# Altium PCB main - Copy.PcbDoc (part 5 of 14)
Units mil, origin at the board's own origin, x right, y up, seen from the top; angles counter-clockwise.
Board outline 8394.55 x 5164.44 mil, 7 copper layers (Top Layer 1, Layer 2, Layer 3, Unused, Layer 4_pow, Layer 5_gnd, Bottom 6+gnd), stack 46.112 mil thick; 406 components, 463 nets, 1919 pads, 903 vias.
Unrouted connection lines stored in the file: 147.
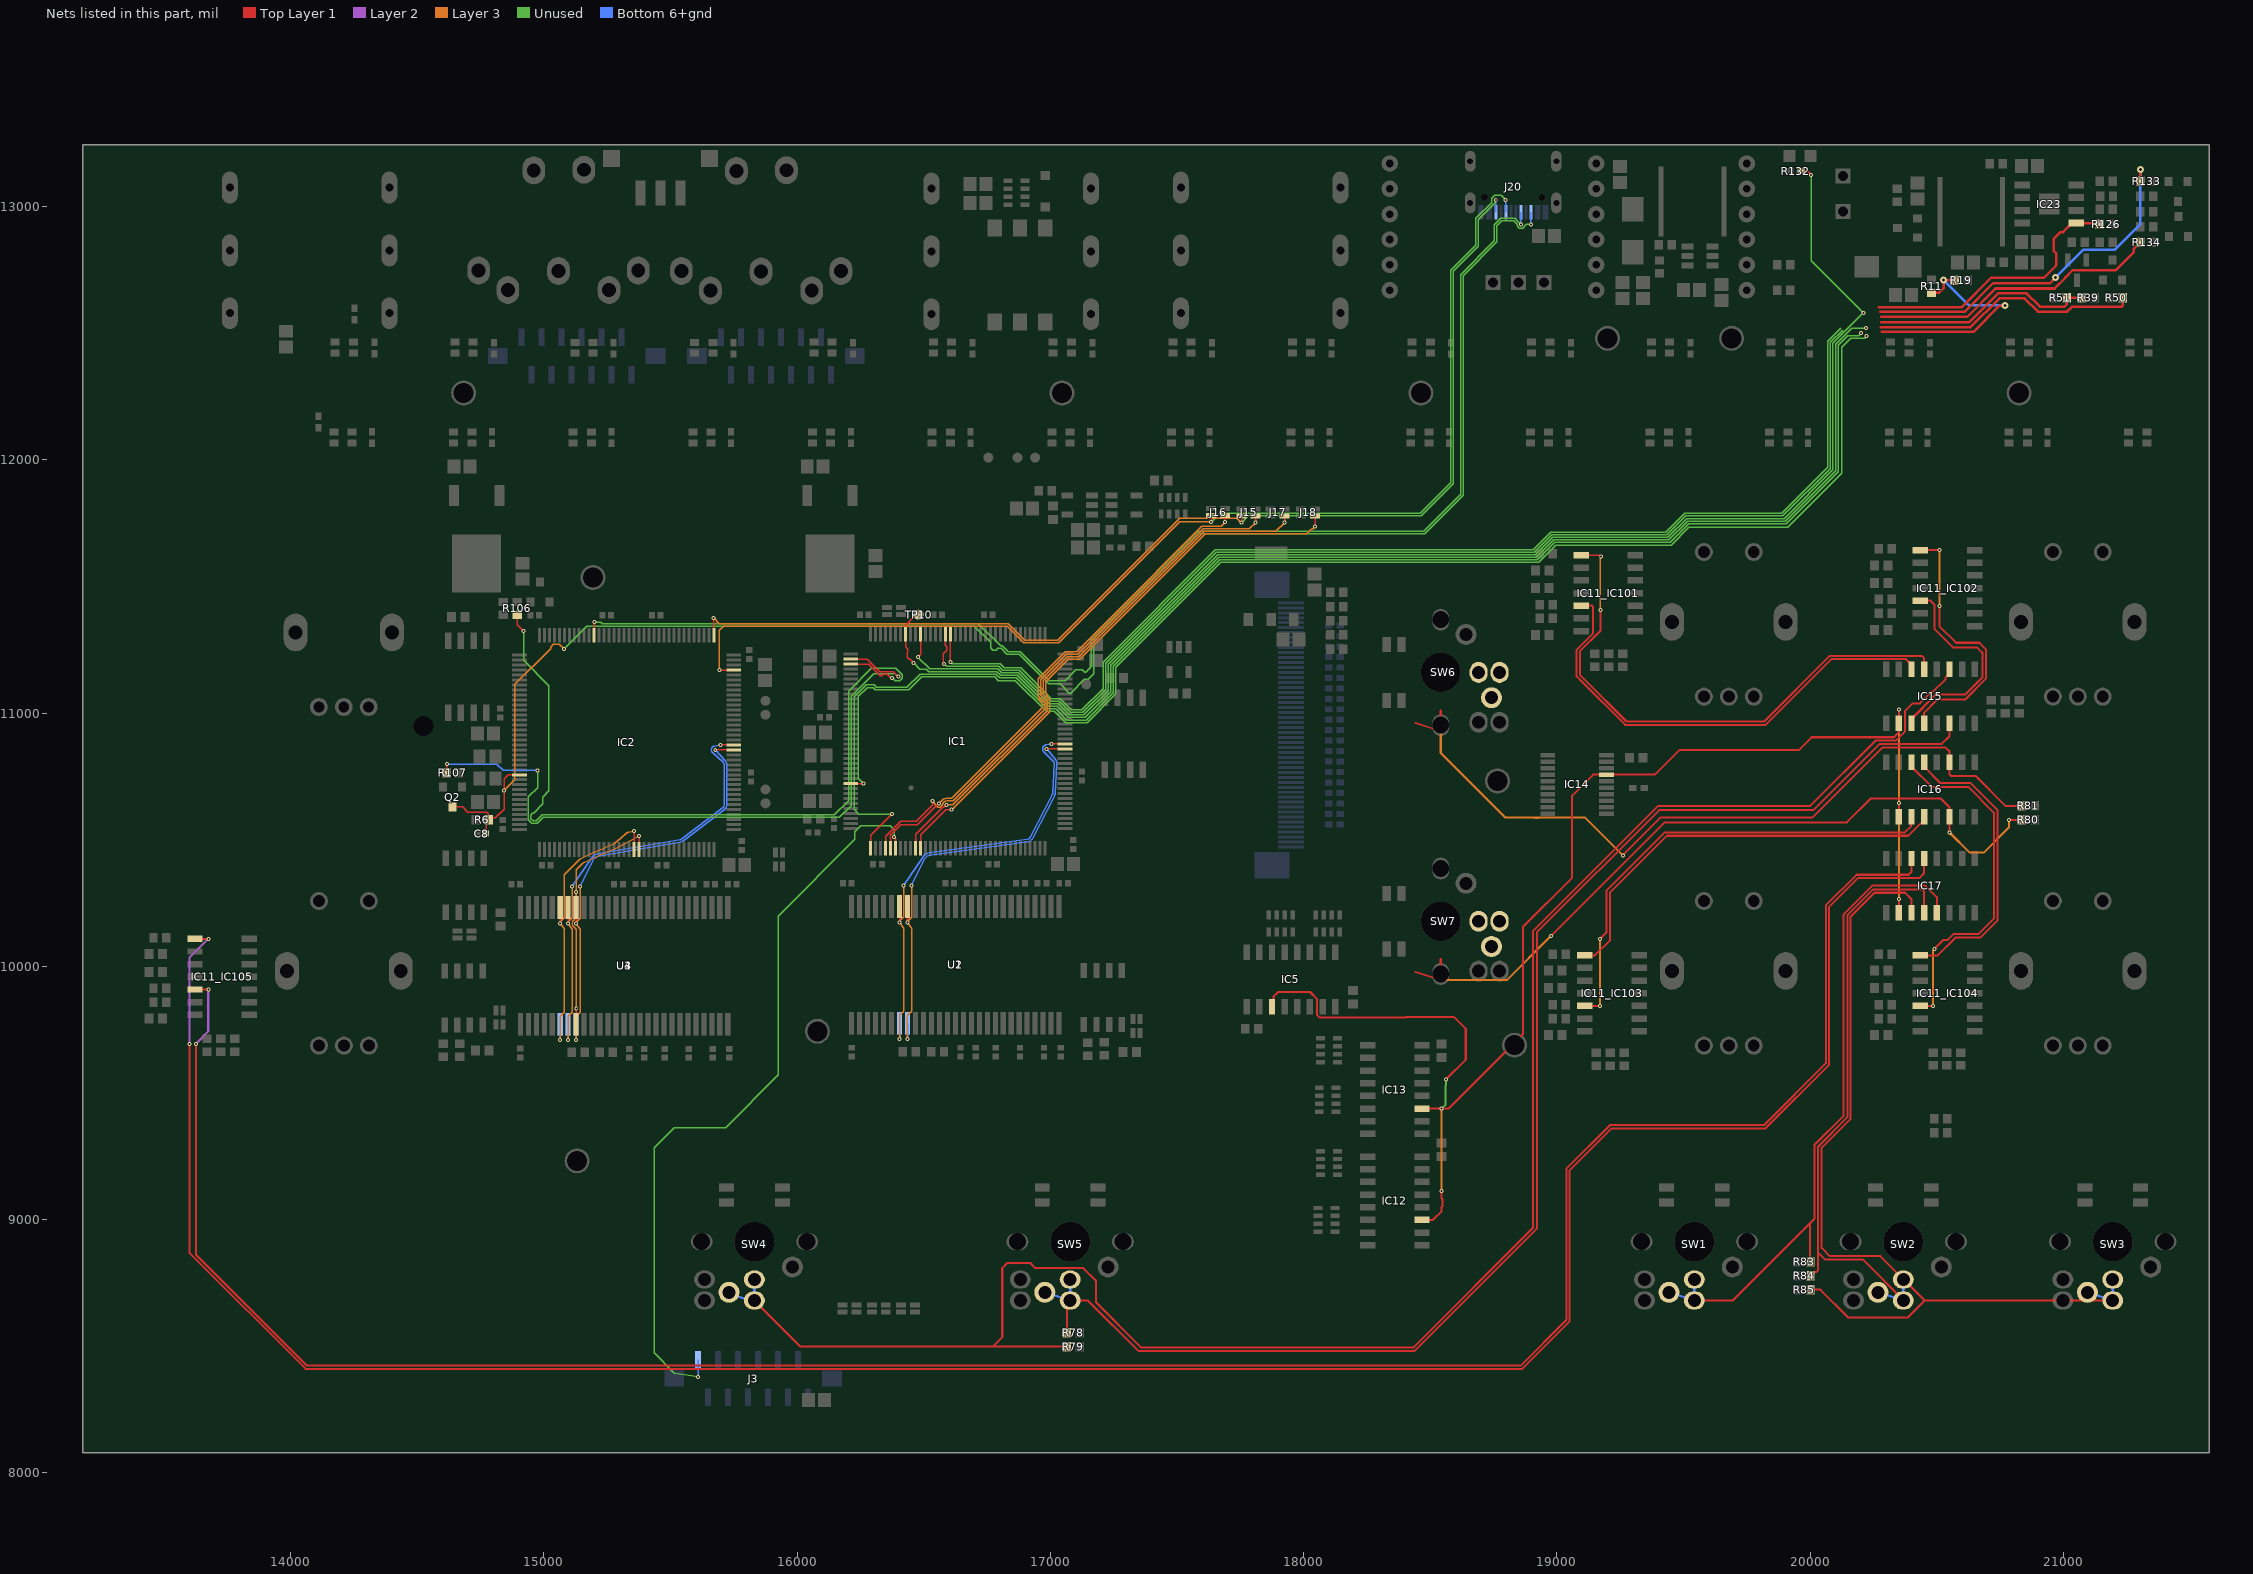
[diagram p9: the nets of this part, all layers, seen from the top]

## Via types
v1: diameter 15.75, hole 7.87, Top Layer 1 to Bottom 6+gnd, tented both sides, 830 vias
v2: diameter 27.56, hole 11.81, Top Layer 1 to Bottom 6+gnd, 45 vias
v3: diameter 23.62/23.62/23.62/23.62/23.62/23.62/23.62 (per signal layer), hole 12, Top Layer 1 to Bottom 6+gnd, tented top, 12 vias
v4: diameter 15.75, hole 7.87, Top Layer 1 to Bottom 6+gnd, 10 vias
v5: diameter 23.62/23.62/23.62/23.62/23.62/23.62/23.62 (per signal layer), hole 12, Top Layer 1 to Bottom 6+gnd, tented bottom, 6 vias

## Nets (pads, with @x,y where several pads share a name; then routed paths per layer and width w, separated by ;. In a path a pad name is that pad's centre, name@x,y a point inside that pad or via, vN(x,y) a via of type N, cw(c..) or ccw(c..) an arc to the next point about the centre after c; other vN are vias at no path point) (continued)
AA10: IC2.56 U3.22 U4.22 | length 1723.1
  Top Layer 1 w5: v1@15064.73,10170.19 U3.22@15064.73,10232.03 ; IC2.56@15356.39,10461.71 v1@15356.39,10534.31
  Layer 3 w5: v1(15064.49,9709.31) 15064.49,9803 15080.61,9819.12 15080.61,10145.78 ; v1(15064.49,10169.94) ccw(c15068.64,10172.73) 15064.57,10169.82 15079.68,10148.64 ; v1@15064.49,10175.64 15064.49,10175.51 cw(c15068.64,10172.73) 15065.07,10176.22 15079.15,10190.35 ; 15080.61,10193.83 15080.61,10360.07 ; v1(15356.31,10534.39) 15333.09,10529.43 ccw(c15336.31,10514.39) 15326.04,10525.84 15303.65,10505.74 ; 15079.15,10190.35 ccw(c15075.61,10193.88) 15080.61,10193.79 ; 15079.15,10190.35 ccw(c15075.61,10193.88) 15080.61,10193.79 ; 15079.15,10190.35 ccw(c15075.61,10193.88) 15080.61,10193.79 ; 15079.15,10190.35 ccw(c15075.61,10193.88) 15080.61,10193.79 ; 15079.15,10190.35 ccw(c15075.61,10193.88) 15080.61,10193.79 ; 15079.15,10190.35 ccw(c15075.61,10193.88) 15080.61,10193.79 ; 15079.15,10190.35 ccw(c15075.61,10193.88) 15080.61,10193.79 ; 15079.15,10190.35 ccw(c15075.61,10193.88) 15080.61,10193.79 ; 15079.15,10190.35 ccw(c15075.61,10193.88) 15080.61,10193.79 ; 15079.15,10190.35 ccw(c15075.61,10193.88) 15080.61,10193.79 ; 15079.15,10190.35 ccw(c15075.61,10193.88) 15080.61,10193.79 ; 15079.15,10190.35 ccw(c15075.61,10193.88) 15080.61,10193.79 ; 15079.15,10190.35 ccw(c15075.61,10193.88) 15080.61,10193.79 ; 15079.15,10190.35 ccw(c15075.61,10193.88) 15080.61,10193.79 ; 15079.15,10190.35 ccw(c15075.61,10193.88) 15080.61,10193.79 ; 15079.15,10190.35 ccw(c15075.61,10193.88) 15080.61,10193.79 ; 15079.68,10148.64 cw(c15075.61,10145.74) 15080.61,10145.83 ; 15079.68,10148.64 cw(c15075.61,10145.74) 15080.61,10145.83 ; 15079.68,10148.64 cw(c15075.61,10145.74) 15080.61,10145.83 ; 15079.68,10148.64 cw(c15075.61,10145.74) 15080.61,10145.83 ; 15079.68,10148.64 cw(c15075.61,10145.74) 15080.61,10145.83 ; 15079.68,10148.64 cw(c15075.61,10145.74) 15080.61,10145.83 ; 15079.68,10148.64 cw(c15075.61,10145.74) 15080.61,10145.83 ; 15079.68,10148.64 cw(c15075.61,10145.74) 15080.61,10145.83 ; 15079.68,10148.64 cw(c15075.61,10145.74) 15080.61,10145.83 ; 15079.68,10148.64 cw(c15075.61,10145.74) 15080.61,10145.83 ; 15079.68,10148.64 cw(c15075.61,10145.74) 15080.61,10145.83 ; 15079.68,10148.64 cw(c15075.61,10145.74) 15080.61,10145.83 ; 15079.68,10148.64 cw(c15075.61,10145.74) 15080.61,10145.83 ; 15079.68,10148.64 cw(c15075.61,10145.74) 15080.61,10145.83 ; 15079.68,10148.64 cw(c15075.61,10145.74) 15080.61,10145.83 ; 15079.68,10148.64 cw(c15075.61,10145.74) 15080.61,10145.83 ; 15080.61,10360.07 cw(c15085.61,10360.07) 15082.05,10363.58 ; 15080.61,10360.07 cw(c15085.61,10360.07) 15082.05,10363.58 ; 15080.61,10360.07 cw(c15085.61,10360.07) 15082.05,10363.58 ; 15080.61,10360.07 cw(c15085.61,10360.07) 15082.05,10363.58 ; 15080.61,10360.07 cw(c15085.61,10360.07) 15082.05,10363.58 ; 15080.61,10360.07 cw(c15085.61,10360.07) 15082.05,10363.58 ; 15080.61,10360.07 cw(c15085.61,10360.07) 15082.05,10363.58 ; 15080.61,10360.07 cw(c15085.61,10360.07) 15082.05,10363.58 ; 15080.61,10360.07 cw(c15085.61,10360.07) 15082.05,10363.58 ; 15080.61,10360.07 cw(c15085.61,10360.07) 15082.05,10363.58 ; 15080.61,10360.07 cw(c15085.61,10360.07) 15082.05,10363.58 ; 15080.61,10360.07 cw(c15085.61,10360.07) 15082.05,10363.58 ; 15080.61,10360.07 cw(c15085.61,10360.07) 15082.05,10363.58 ; 15080.61,10360.07 cw(c15085.61,10360.07) 15082.05,10363.58 ; 15080.61,10360.07 cw(c15085.61,10360.07) 15082.05,10363.58 ; 15080.61,10360.07 cw(c15085.61,10360.07) 15082.05,10363.58 ; 15082.05,10363.58 15139.3,10420.83 ; 15139.3,10420.83 cw(c15163.98,10396.01) 15149.53,10427.89 ; 15139.3,10420.83 cw(c15163.98,10396.01) 15149.53,10427.89 ; 15139.3,10420.83 cw(c15163.98,10396.01) 15149.53,10427.89 ; 15139.3,10420.83 cw(c15163.98,10396.01) 15149.53,10427.89 ; 15139.3,10420.83 cw(c15163.98,10396.01) 15149.53,10427.89 ; 15139.3,10420.83 cw(c15163.98,10396.01) 15149.53,10427.89 ; 15139.3,10420.83 cw(c15163.98,10396.01) 15149.53,10427.89 ; 15139.3,10420.83 cw(c15163.98,10396.01) 15149.53,10427.89 ; 15139.3,10420.83 cw(c15163.98,10396.01) 15149.53,10427.89 ; 15139.3,10420.83 cw(c15163.98,10396.01) 15149.53,10427.89 ; 15139.3,10420.83 cw(c15163.98,10396.01) 15149.53,10427.89 ; 15139.3,10420.83 cw(c15163.98,10396.01) 15149.53,10427.89 ; 15139.3,10420.83 cw(c15163.98,10396.01) 15149.53,10427.89 ; 15139.3,10420.83 cw(c15163.98,10396.01) 15149.53,10427.89 ; 15139.3,10420.83 cw(c15163.98,10396.01) 15149.53,10427.89 ; 15139.3,10420.83 cw(c15163.98,10396.01) 15149.53,10427.89 ; 15149.53,10427.89 15199.7,10450.71 ; 15199.7,10450.71 cw(c15218.49,10409.41) 15200.64,10451.13 ; 15199.7,10450.71 cw(c15218.49,10409.41) 15200.64,10451.13 ; 15199.7,10450.71 cw(c15218.49,10409.41) 15200.64,10451.13 ; 15199.7,10450.71 cw(c15218.49,10409.41) 15200.64,10451.13 ; 15199.7,10450.71 cw(c15218.49,10409.41) 15200.64,10451.13 ; 15199.7,10450.71 cw(c15218.49,10409.41) 15200.65,10451.13 ; 15199.7,10450.71 cw(c15218.49,10409.41) 15200.64,10451.13 ; 15199.7,10450.71 cw(c15218.49,10409.41) 15200.65,10451.13 ; 15199.7,10450.71 cw(c15218.49,10409.41) 15200.64,10451.13 ; 15199.7,10450.71 cw(c15218.49,10409.41) 15200.64,10451.13 ; 15199.7,10450.71 cw(c15218.49,10409.41) 15200.64,10451.13 ; 15199.7,10450.71 cw(c15218.49,10409.41) 15200.64,10451.13 ; 15199.7,10450.71 cw(c15218.49,10409.41) 15200.64,10451.13 ; 15199.7,10450.71 cw(c15218.49,10409.41) 15200.64,10451.13 ; 15199.7,10450.71 cw(c15218.49,10409.41) 15200.64,10451.13 ; 15199.7,10450.71 cw(c15218.49,10409.41) 15200.64,10451.13 ; 15200.65,10451.13 15272.81,10482.13 ; 15272.81,10482.13 ccw(c15258.85,10514.63) 15281.34,10487.33 ; 15272.81,10482.13 ccw(c15258.85,10514.63) 15281.34,10487.33 ; 15272.81,10482.13 ccw(c15258.85,10514.63) 15281.34,10487.33 ; 15272.81,10482.13 ccw(c15258.85,10514.63) 15281.34,10487.33 ; 15272.81,10482.13 ccw(c15258.85,10514.63) 15281.34,10487.33 ; 15272.81,10482.13 ccw(c15258.85,10514.63) 15281.34,10487.33 ; 15272.81,10482.13 ccw(c15258.85,10514.63) 15281.34,10487.33 ; 15272.81,10482.13 ccw(c15258.85,10514.63) 15281.34,10487.33 ; 15272.81,10482.13 ccw(c15258.85,10514.63) 15281.34,10487.33 ; 15272.81,10482.13 ccw(c15258.85,10514.63) 15281.34,10487.33 ; 15272.81,10482.13 ccw(c15258.85,10514.63) 15281.34,10487.33 ; 15272.81,10482.13 ccw(c15258.85,10514.63) 15281.34,10487.33 ; 15272.81,10482.13 ccw(c15258.85,10514.63) 15281.34,10487.33 ; 15272.81,10482.13 ccw(c15258.85,10514.63) 15281.34,10487.33 ; 15272.81,10482.13 ccw(c15258.85,10514.63) 15281.34,10487.33 ; 15272.81,10482.13 ccw(c15258.85,10514.63) 15281.34,10487.33 ; 15281.34,10487.33 15302.84,10505.05 ; 15302.84,10505.05 ccw(c15286.7,10524.63) 15303.65,10505.74 ; 15302.84,10505.05 ccw(c15286.7,10524.63) 15303.65,10505.74 ; 15302.84,10505.05 ccw(c15286.7,10524.63) 15303.65,10505.74 ; 15302.84,10505.05 ccw(c15286.7,10524.63) 15303.65,10505.74 ; 15302.84,10505.05 ccw(c15286.7,10524.63) 15303.65,10505.74 ; 15302.84,10505.05 ccw(c15286.7,10524.63) 15303.65,10505.74 ; 15302.84,10505.05 ccw(c15286.7,10524.63) 15303.65,10505.74 ; 15302.84,10505.05 ccw(c15286.7,10524.63) 15303.65,10505.74 ; 15302.84,10505.05 ccw(c15286.7,10524.63) 15303.65,10505.74 ; 15302.84,10505.05 ccw(c15286.7,10524.63) 15303.65,10505.74 ; 15302.84,10505.05 ccw(c15286.7,10524.63) 15303.65,10505.74 ; 15302.84,10505.05 ccw(c15286.7,10524.63) 15303.65,10505.74 ; 15302.84,10505.05 ccw(c15286.7,10524.63) 15303.65,10505.74 ; 15302.84,10505.05 ccw(c15286.7,10524.63) 15303.65,10505.74 ; 15302.84,10505.05 ccw(c15286.7,10524.63) 15303.65,10505.74 ; 15302.84,10505.05 ccw(c15286.7,10524.63) 15303.65,10505.74
  Bottom 6+gnd w5: v1@15064.73,9709.56 U4.22@15064.73,9771.4
AA11: IC2.57 U3.35 U4.35 | length 1197.8
  Top Layer 1 w5: U3.35@15127.72,9771.4 v1@15127.72,9833.49 ; IC2.57@15375.91,10461.87 v1@15375.91,10514.16
  Layer 3 w5: v1(15127.97,9833.49) 15127.97,10145.64 ; 15127.97,10195.56 15127.97,10293.63 v1(15127.48,10294.12) 15127.48,10378.65 ; v1(15375.68,10514.39) 15284.99,10465.82 cw(c15258.85,10514.63) 15280.72,10463.76 15208.57,10432.77 ; 15126.51,10149.12 cw(c15122.97,10145.59) 15127.97,10145.68 ; 15126.51,10149.12 cw(c15122.97,10145.59) 15127.97,10145.68 ; 15126.51,10149.12 cw(c15122.97,10145.59) 15127.97,10145.68 ; 15126.51,10149.12 cw(c15122.97,10145.59) 15127.97,10145.68 ; 15126.51,10149.12 cw(c15122.97,10145.59) 15127.97,10145.68 ; 15126.51,10149.12 cw(c15122.97,10145.59) 15127.97,10145.68 ; 15126.51,10149.12 cw(c15122.97,10145.59) 15127.97,10145.68 ; 15126.51,10149.12 cw(c15122.97,10145.59) 15127.97,10145.68 ; 15126.51,10149.12 cw(c15122.97,10145.59) 15127.97,10145.68 ; 15126.51,10149.12 cw(c15122.97,10145.59) 15127.97,10145.68 ; 15126.51,10149.12 cw(c15122.97,10145.59) 15127.97,10145.68 ; 15126.51,10149.12 cw(c15122.97,10145.59) 15127.97,10145.68 ; 15126.51,10149.12 cw(c15122.97,10145.59) 15127.97,10145.68 ; 15126.51,10149.12 cw(c15122.97,10145.59) 15127.97,10145.68 ; 15126.51,10149.12 cw(c15122.97,10145.59) 15127.97,10145.68 ; 15126.51,10149.12 cw(c15122.97,10145.59) 15127.97,10145.68 ; 15126.51,10149.12 15116.58,10159.1 cw(c15127.48,10169.94) 15115.96,10180.12 15126.71,10192.29 ; 15126.71,10192.29 ccw(c15122.97,10195.6) 15127.97,10195.51 ; 15126.71,10192.29 ccw(c15122.97,10195.6) 15127.97,10195.51 ; 15126.71,10192.29 ccw(c15122.97,10195.6) 15127.97,10195.51 ; 15126.71,10192.29 ccw(c15122.97,10195.6) 15127.97,10195.51 ; 15126.71,10192.29 ccw(c15122.97,10195.6) 15127.97,10195.51 ; 15126.71,10192.29 ccw(c15122.97,10195.6) 15127.97,10195.51 ; 15126.71,10192.29 ccw(c15122.97,10195.6) 15127.97,10195.51 ; 15126.71,10192.29 ccw(c15122.97,10195.6) 15127.97,10195.51 ; 15126.71,10192.29 ccw(c15122.97,10195.6) 15127.97,10195.51 ; 15126.71,10192.29 ccw(c15122.97,10195.6) 15127.97,10195.51 ; 15126.71,10192.29 ccw(c15122.97,10195.6) 15127.97,10195.51 ; 15126.71,10192.29 ccw(c15122.97,10195.6) 15127.97,10195.51 ; 15126.71,10192.29 ccw(c15122.97,10195.6) 15127.97,10195.51 ; 15126.71,10192.29 ccw(c15122.97,10195.6) 15127.97,10195.51 ; 15126.71,10192.29 ccw(c15122.97,10195.6) 15127.97,10195.51 ; 15126.71,10192.29 ccw(c15122.97,10195.6) 15127.97,10195.51 ; 15127.48,10378.65 cw(c15132.48,10378.65) 15128.92,10382.17 ; 15127.48,10378.65 cw(c15132.48,10378.65) 15128.92,10382.17 ; 15127.48,10378.65 cw(c15132.48,10378.65) 15128.92,10382.17 ; 15127.48,10378.65 cw(c15132.48,10378.65) 15128.92,10382.17 ; 15127.48,10378.65 cw(c15132.48,10378.65) 15128.92,10382.17 ; 15127.48,10378.65 cw(c15132.48,10378.65) 15128.92,10382.17 ; 15127.48,10378.65 cw(c15132.48,10378.65) 15128.92,10382.17 ; 15127.48,10378.65 cw(c15132.48,10378.65) 15128.92,10382.17 ; 15127.48,10378.65 cw(c15132.48,10378.65) 15128.92,10382.17 ; 15127.48,10378.65 cw(c15132.48,10378.65) 15128.92,10382.17 ; 15127.48,10378.65 cw(c15132.48,10378.65) 15128.92,10382.17 ; 15127.48,10378.65 cw(c15132.48,10378.65) 15128.92,10382.17 ; 15127.48,10378.65 cw(c15132.48,10378.65) 15128.92,10382.17 ; 15127.48,10378.65 cw(c15132.48,10378.65) 15128.92,10382.17 ; 15127.48,10378.65 cw(c15132.48,10378.65) 15128.92,10382.17 ; 15127.48,10378.65 cw(c15132.48,10378.65) 15128.92,10382.17 ; 15128.92,10382.17 15153.41,10406.65 cw(c15163.98,10396.01) 15157.76,10409.66 15207.93,10432.48 ; 15207.93,10432.48 cw(c15218.49,10409.41) 15208.57,10432.77 ; 15207.93,10432.48 cw(c15218.49,10409.41) 15208.57,10432.77 ; 15207.93,10432.48 cw(c15218.49,10409.41) 15208.57,10432.77 ; 15207.93,10432.48 cw(c15218.49,10409.41) 15208.57,10432.77 ; 15207.93,10432.48 cw(c15218.49,10409.41) 15208.57,10432.77 ; 15207.93,10432.48 cw(c15218.49,10409.41) 15208.57,10432.77 ; 15207.93,10432.48 cw(c15218.49,10409.41) 15208.57,10432.77 ; 15207.93,10432.48 cw(c15218.49,10409.41) 15208.57,10432.77 ; 15207.93,10432.48 cw(c15218.49,10409.41) 15208.57,10432.77 ; 15207.93,10432.48 cw(c15218.49,10409.41) 15208.57,10432.77 ; 15207.93,10432.48 cw(c15218.49,10409.41) 15208.57,10432.77 ; 15207.93,10432.48 cw(c15218.49,10409.41) 15208.57,10432.77 ; 15207.93,10432.48 cw(c15218.49,10409.41) 15208.57,10432.77 ; 15207.93,10432.48 cw(c15218.49,10409.41) 15208.57,10432.77 ; 15207.93,10432.48 cw(c15218.49,10409.41) 15208.57,10432.77 ; 15207.93,10432.48 cw(c15218.49,10409.41) 15208.57,10432.77
  Bottom 6+gnd w5: U4.35@15127.72,10232.03 v1@15127.72,10293.87
ADC1: IC1.27 R11.1 R19.2 | length 6430.2
  Top Layer 1 w5: IC1.27@16212.32,10721.42 16212.35,10721.46 16263.01,10721.46 v1(16263.05,10721.42)
  Top Layer 1 w10: 20282.76,12505.32 20644.53,12505.32 20748,12608.79 v2(20769.02,12608.79) ; R11.1@20479.02,12660 20509.02,12660 20526.52,12677.5 v2(20526.52,12710) R19.2@20569.02,12710
  Unused w5: v1(16263.05,10721.42) 16241.3,10743.17 16241.3,11065.98 16276.43,11101.1 16299.88,11101.1 16309.15,11091.83 16439.92,11091.83 16492.37,11144.27 16779.54,11144.27 16795,11128.82 16861.46,11128.82 16983.51,11006.77 17016.06,11006.77 17060.14,10962.69 17144.83,10962.69 17258,11075.86 17258,11181.12 17672.27,11595.39 18927.28,11595.39 18995.71,11663.82 19450.71,11663.82 19519.96,11733.07 19911.38,11733.07 20125.37,11947.06 20125.37,12445.37 20160,12480 20214.54,12480 v1(20223.03,12488.49)
  Bottom 6+gnd w10: v2(20526.52,12710) 20626.52,12610 20767.81,12610 v2(20769.02,12608.79)
ADC2: IC1.37 R50.2 | length 6909.8
  Top Layer 1 w5: IC1.37@16290.51,10472.3 16290.51,10517.58 v1(16374.13,10601.21)
  Top Layer 1 w10: 20279.26,12524.01 20633.67,12524.01 20747.24,12637.57 20846.2,12637.57 20898.77,12585 21014.02,12585 21033.35,12604.34 21228.71,12604.34 21234.57,12610.19 R50.2@21234.57,12639.37
  Unused w5: v1(16374.13,10601.21) 16243.48,10601.21 16241.32,10603.37 16225,10619.68 16225,11063.82 16272.29,11111.1 16304.02,11111.1 16313.29,11101.83 16433.01,11101.83 16485.46,11154.27 16784.26,11154.27 16799.71,11138.82 16865.6,11138.82 16987.66,11016.77 17020.2,11016.77 17064.28,10972.69 17140.69,10972.69 17248,11080 17248,11185.26 17668.13,11605.39 18923.14,11605.39 18991.57,11673.82 19446.57,11673.82 19521.19,11748.44 19905.01,11748.44 20110,11953.43 20110,12451.74 20149.13,12490.87 20190.87,12490.87 v1(20200,12500)
ADC3: IC1.40 J15.3 | length 2171.1
  Top Layer 1 w5: IC1.40@16349.57,10466.06 16349.57,10513.38 16410,10573.82 16470,10573.82 16535,10638.82 v1(16535,10653.82) ; v1@17810.12,11752.72 J15.3@17810.12,11778.82
  Layer 3 w5: v1(16535,10653.82) 16546.82,10635.49 ccw(c16559.74,10643.82) 16573.97,10637.99 16576.26,10643.59 cw(c16590.49,10637.76) 16590.05,10653.13 16614.81,10653.84 ccw(c16614.66,10658.84) 16618.18,10655.28 16977.24,11014.34 16977.24,11045.72 16965.34,11057.62 16965.34,11066.26 16961.71,11069.89 16961.71,11131.86 17062.69,11232.83 17107.93,11232.83 17251.82,11376.72 17251.82,11377.1 17602.59,11727.87 17785.51,11727.87 v1(17810.24,11752.6)
ADC4: IC1.41 J16.3 | length 2000.2
  Top Layer 1 w5: IC1.41@16369.25,10466.06 16369.27,10503.18 16367.67,10504.78 16367.67,10517.35 16409.14,10558.82 16474.74,10558.82 v1(16559.74,10643.82) ; v1@17690,11753.94 J16.3@17690,11780.04
  Layer 3 w5: v1(16559.74,10643.82) 16573.21,10656.34 cw(c16590.49,10637.76) 16589.04,10663.1 16608.61,10664.22 ccw(c16608.32,10669.21) 16611.84,10665.66 16967.24,11021.06 16967.24,11041.58 16955.34,11053.48 16955.34,11062.12 16951.71,11065.75 16951.71,11136 17058.54,11242.83 17103.78,11242.83 17240,11379.05 17240,11379.43 17598.45,11737.87 17674.17,11737.87 v1(17690.12,11753.82)
ADC5: IC1.46 J17.3 | length 2139.3
  Top Layer 1 w5: IC1.46@16467.77,10466.15 16467.77,10521.59 16574.58,10628.4 16578.22,10628.4 16587.58,10637.76 v1(16590.49,10637.76) ; v1@17925.12,11752.72 J17.3@17925.12,11778.82
  Layer 3 w5: v1(16590.49,10637.76) 16614.01,10638.82 ccw(c16613.79,10643.82) 16617.32,10640.28 16987.24,11010.2 16987.24,11049.86 16975.34,11061.76 16975.34,11070.4 16971.71,11074.03 16971.71,11127.72 17066.83,11222.83 17112.07,11222.83 17261.82,11372.58 17261.82,11372.96 17606.73,11717.87 17890.51,11717.87 v1(17925.24,11752.6)
ADC6: IC1.47 J18.3 | length 2247.3
  Top Layer 1 w5: IC1.47@16487.36,10466.06 16487.36,10518.9 16587.28,10618.82 v1(16610,10618.82) ; v1(18044.13,11737.22) 18045.12,11738.21 J18.3@18045.12,11778.82
  Layer 3 w5: v1(16610,10618.82) 16997.24,11006.06 16997.24,11054 16985.34,11065.9 16985.34,11074.55 16981.71,11078.18 16981.71,11123.57 17070.97,11212.83 17116.21,11212.83 17271.82,11368.44 17271.82,11368.82 17610.87,11707.87 18011.84,11707.87 18030.02,11726.06 18032.96,11726.06 v1(18044.13,11737.22)
ADC_ON: IC1.137 R39.1 R51.2 TP10.1 | length 5965
  Top Layer 1 w5: v1(16460,11198.82) 16446.96,11211.86 16443.5,11211.86 16434.49,11220.87 16434.49,11237.47 16437.23,11240.21 16437.23,11252.94 16428.31,11261.87 IC1.137@16428.31,11311.57 16428.31,11347.13 16460.78,11379.6 16461.48,11379.6 16470.7,11388.82 TP10.1@16480,11388.82
  Top Layer 1 w10: 20279.84,12542.7 20627.1,12542.7 20741.97,12657.57 20854.48,12657.57 20907.06,12605 21004.02,12605 21013.39,12614.37 R51.2@21013.39,12639.37 R39.1@21072.2,12639.37
  Unused w5: v1(16460,11198.82) 16485.07,11173.74 16510.06,11173.74 16519.53,11164.27 16788.4,11164.27 16803.85,11148.82 16869.75,11148.82 16991.8,11026.77 17026.19,11026.77 17070.05,10982.91 17136.77,10982.91 17238,11084.14 17238,11189.4 17663.99,11615.39 18919,11615.39 18987.43,11683.82 19442.43,11683.82 19517.05,11758.44 19900.87,11758.44 20100,11957.57 20100,12455.88 20164.12,12520 v1(20220,12520)
AUDIO_BOOT: IC1.3 R106.1 | length 3126.4
  Top Layer 1 w5: R106.1@14895,11393.54 14895,11348.82 v1(14920,11323.82) ; IC1.3@16212.24,11193.94 16282.7,11193.94 16322.82,11153.82 16323.26,11153.82 16328.69,11148.39 16334.55,11148.39 16339.03,11152.87 16355.95,11152.87 16370,11138.82 v1(16374.44,11138.82)
  Unused w5: v1(14920,11323.82) 14920,11208.82 15020.02,11108.8 15020.02,10692.81 14995.19,10667.99 14995.19,10641.31 14959.35,10605.47 14957.33,10605.47 14955.68,10603.82 14955,10603.82 14948.33,10597.15 14948.33,10583.73 14957.33,10574.73 14970.07,10574.73 14994.16,10598.82 16147.06,10598.82 16203.11,10654.87 16203.11,11086.93 16292.88,11176.69 16335.48,11176.69 16335.72,11176.46 16389.1,11176.46 16415,11150.56 16415,11137.82 16405.99,11128.82 16387.35,11128.82 16377.35,11138.82 v1(16374.44,11138.82)
AUDIO_NRST: C8.2 IC2.25 J20.B5 Q2.3 R6.2 | length 6660.8
  Top Layer 1 w5: Q2.3@14640,10629.45 14679.37,10629.45 14699.66,10609.16 14775,10609.16 14781.26,10602.9 14781.26,10580.72 R6.2@14782.35,10579.63 ; C8.2@14771.76,10524.63 14771.76,10569.04 R6.2@14782.35,10579.63 ; IC2.25@14904,10756.68 14858.81,10756.68 14843.39,10741.26 v1(14843.39,10695.26) 14843.39,10620.54 14808.81,10585.96 14788.68,10585.96 R6.2@14782.35,10579.63
  Unused w5: v1(15080,11253.82) 15170,11343.82 16700.17,11343.82 16764.38,11279.61 16764.38,11257.87 16773.38,11248.86 16786.12,11248.86 16793.17,11255.91 16805.23,11255.91 16828.56,11232.58 16876.59,11232.58 16992.97,11116.2 17037.97,11116.2 17075.18,11079 17079.49,11079 17133.47,11132.97 17149.15,11132.97 17171.69,11155.51 17171.69,11294.12 17586.56,11708.99 18478.99,11708.99 18630.37,11860.37 18630.37,12727.65 18763.32,12860.6 18763.32,12923.82 18782.93,12943.43 18829.22,12943.43 18842.4,12930.25 18842.4,12923.69 18851.4,12914.68 18864.14,12914.68 18879.51,12930.05 v1(18897.14,12930.05)
  Layer 3 w5: v1(14843.39,10695.26) 14885,10736.86 14885,11113.82 15026.33,11255.14 15026.33,11261 15038.01,11272.68 15061.14,11272.68 v1(15080,11253.82)
  Bottom 6+gnd w5: J20.B5@18896.71,12978.4 18896.71,12930.49 v1(18897.14,12930.05)
AUDIO_RST: IC1.2 R107.1 | length 2792.5
  Top Layer 1 w5: R107.1@14617.36,10768.82 14617.36,10797.95 v1(14617.7,10798.29) ; IC1.2@16212.24,11213.62 16277.16,11213.62 16326.96,11163.82 16380,11163.82 v1(16399.63,11144.19)
  Unused w5: v1(14975,10773.82) 14975,10706.08 14938.33,10669.41 14938.33,10579.59 14953.19,10564.73 14974.21,10564.73 14998.3,10588.82 16167.06,10588.82 16213.11,10634.87 16213.11,11066.93 16301.66,11155.48 16385.43,11155.48 16396.72,11144.19 v1(16399.63,11144.19)